# Altium PCB RevA3.PcbDoc (part 2 of 5)
Units mm, origin at the board's own origin, x right, y up, seen from the top; angles counter-clockwise.
Board outline 173 x 171 mm, 4 copper layers (Top Layer, Mid Layer 1, Mid Layer 2, Bottom Layer), stack 1.57 mm thick; 306 components, 465 nets, 1987 pads, 739 vias.
Unrouted connection lines stored in the file: 355.
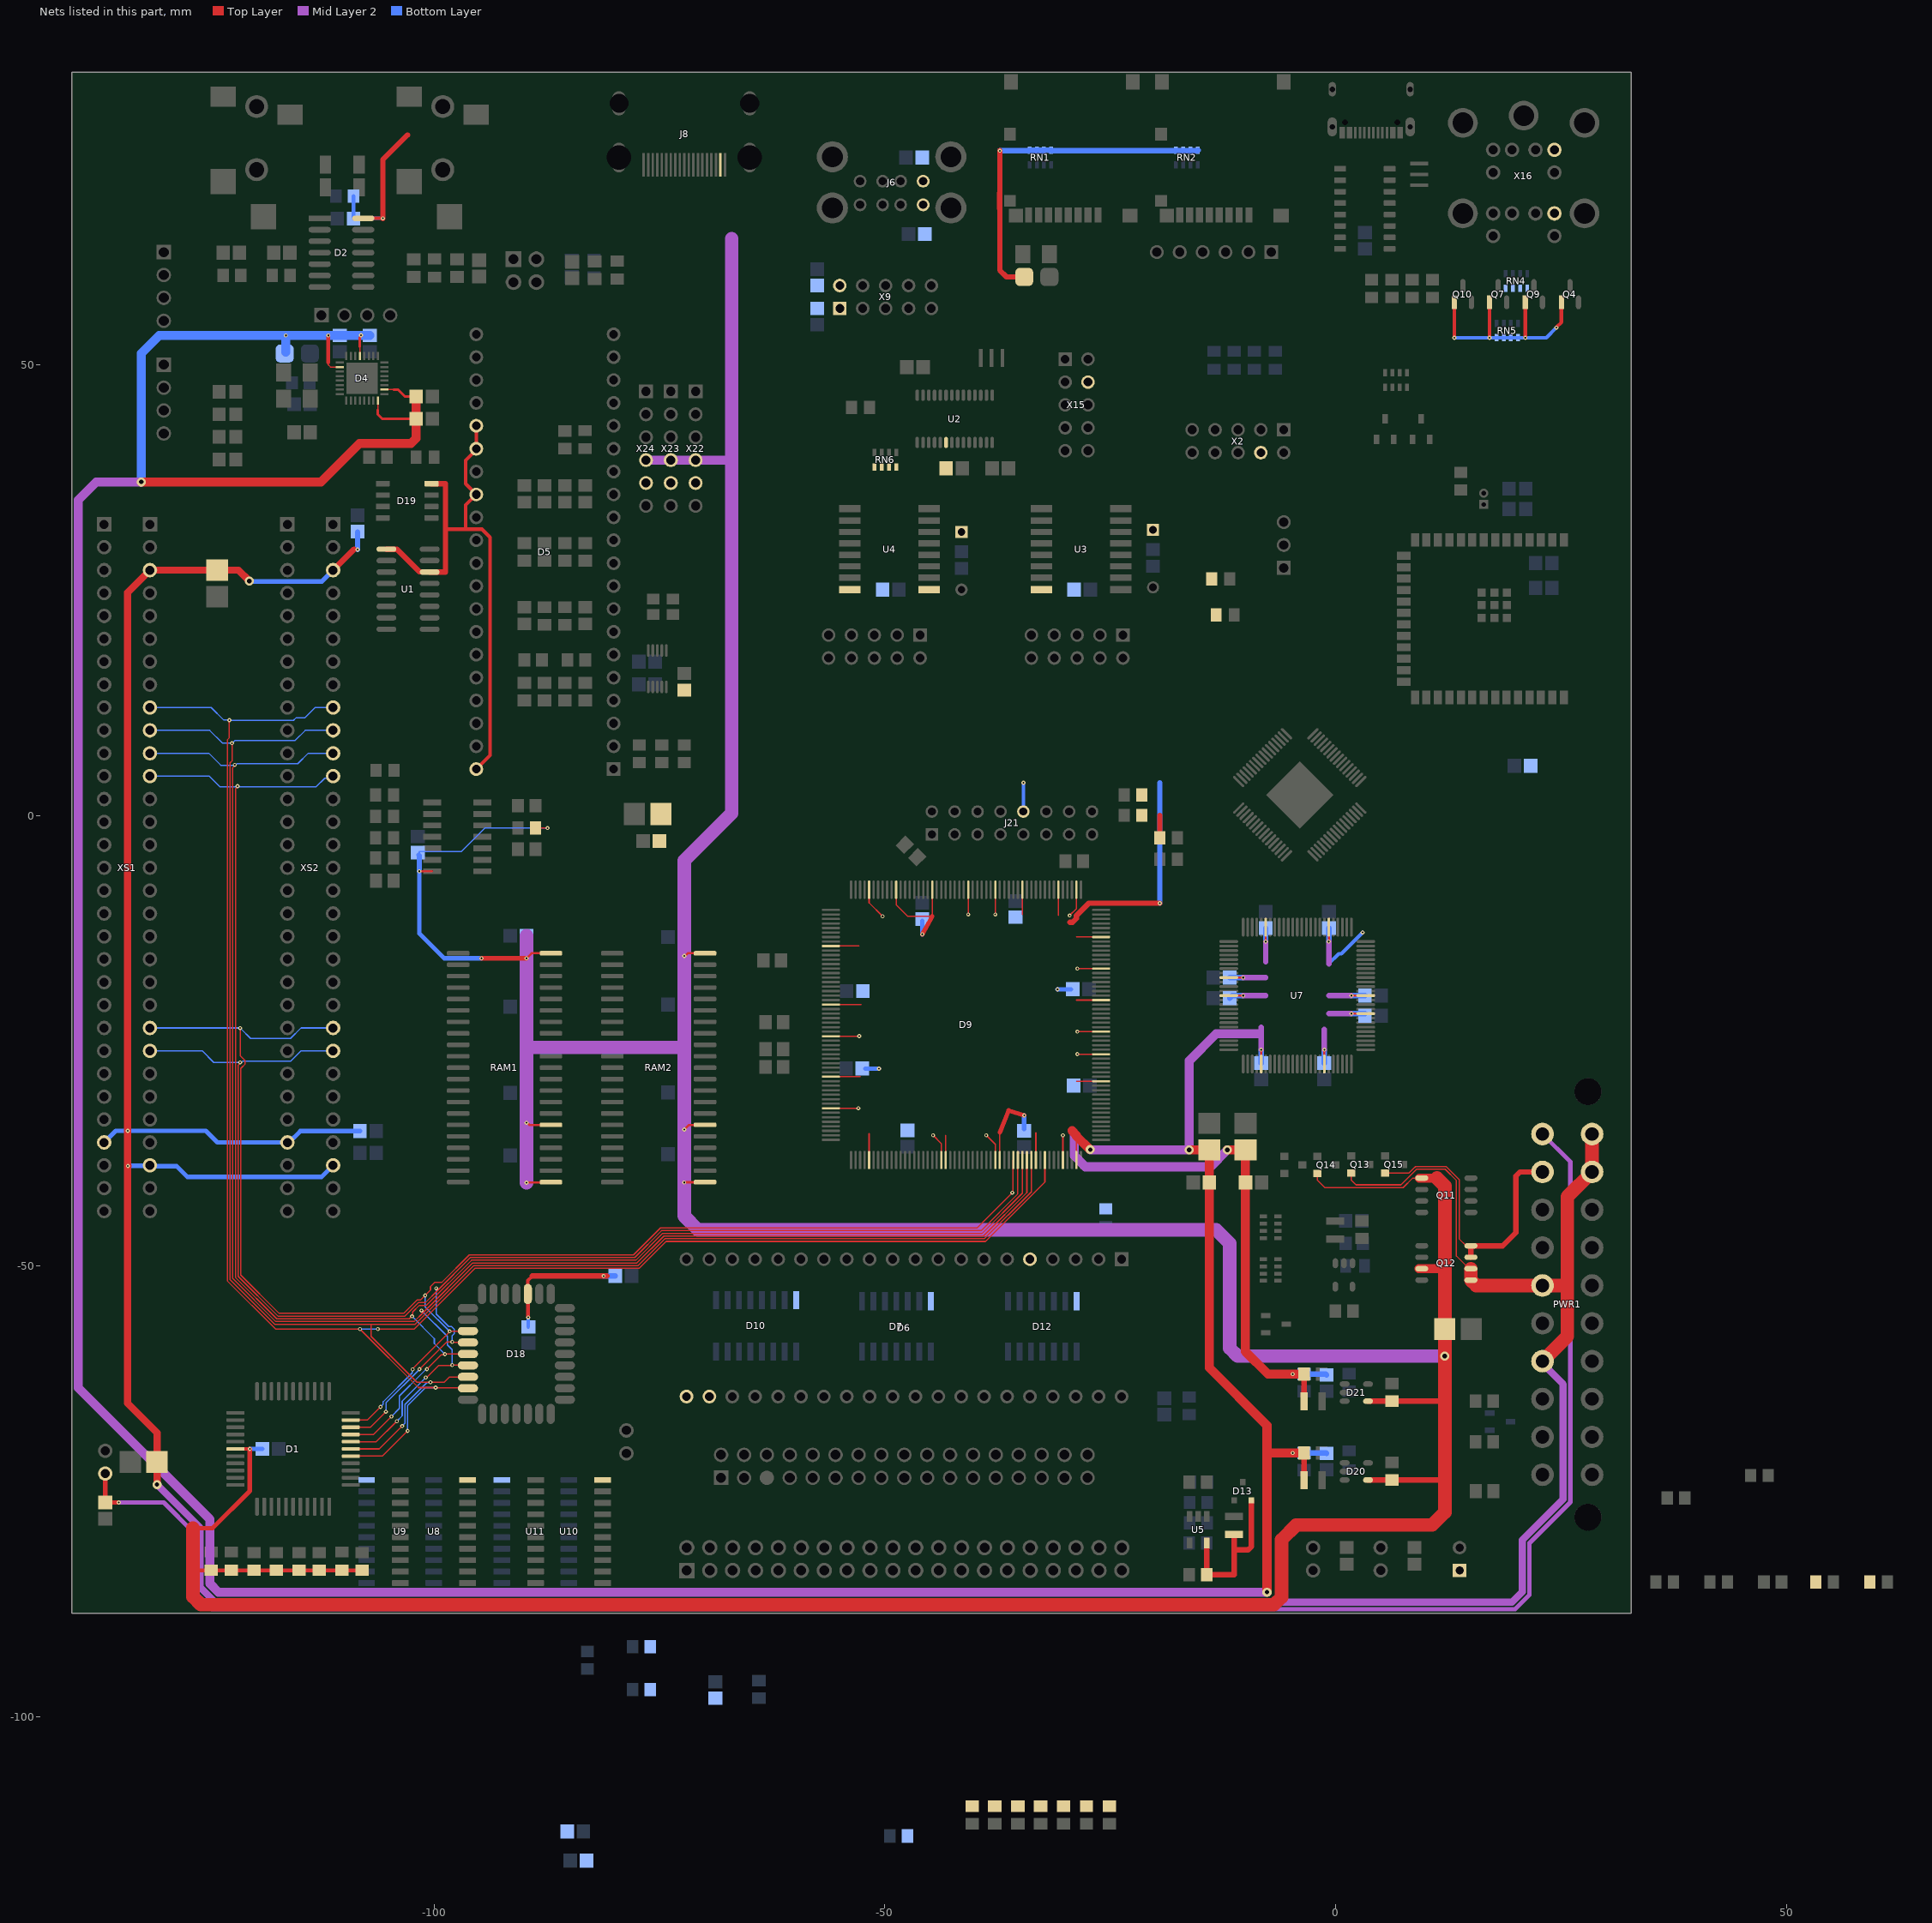
[diagram p4: the nets of this part, all layers, seen from the top]

## Footprints (in the part's own frame and the unit in brackets; to place one, negate y for a bottom-side part, rotate by r counter-clockwise, add the part's x,y. Pads: shape width x height; smd on the part's side, far side on the other; paste and mask are expansions set on the pad) (continued)
L-CHIP [mm]
  rrect50% 2x2 smd: 1(0,0) 2(2.794,0)
  silkscreen extent -0.25,-0.89 3.05,0.89
LED100_LED(Primary) [mm]
  rect 1.5x1.5 hole 0.9: A(0,-2.54)
  round 1.5 hole 0.9: K(0,0)
  silkscreen extent -3.17,-4.44 3.17,1.27
MCHP-PLCC-NH32_L [mm] "PLCC, 32-Leads, Body 13.97x11.43mm, Pitch 1.27mm, IPC High Density"
  oval 0.9x2.25 smd: 1(0,6.65) 2(-1.27,6.65) 3(-2.54,6.65) 4(-3.81,6.65) 14(-3.81,-6.65) 15(-2.54,-6.65) 16(-1.27,-6.65) 17(0,-6.65) 18(1.27,-6.65) 19(2.54,-6.65) 20(3.81,-6.65) 30(3.81,6.65) 31(2.54,6.65) 32(1.27,6.65)
  oval 2.25x0.9 smd: 5(-5.375,5.08) 6(-5.375,3.81) 7(-5.375,2.54) 8(-5.375,1.27) 9(-5.375,0) 10(-5.375,-1.27) 11(-5.375,-2.54) 12(-5.375,-3.81) 13(-5.375,-5.08) 21(5.375,-5.08) 22(5.375,-3.81) 23(5.375,-2.54) 24(5.375,-1.27) 25(5.375,0) 26(5.375,1.27) 27(5.375,2.54) 28(5.375,3.81) 29(5.375,5.08)
  silkscreen extent -3.85,-5.13 3.85,8.45, body extent -6.25,-7.45 6.25,7.45, height 2.89
MDD-6FR [mm]
  round 1.6 hole 1: 1(-1.3,-3.8) 2(1.3,-3.8) 3(-3.4,-3.8) 4(3.4,-3.8) 5(-3.4,-6.3) 6(3.4,-6.3) 7(-1.3,-10.85) 8(1.3,-10.85) 9(-3.4,-10.85) 10(3.4,-10.85) 11(-3.4,-13.35) 12(3.4,-13.35)
  round 3.3 hole 2.3: 13(0,0) 14(6.75,-0.8) 15(-6.75,-0.8) 16(6.75,-10.85) 17(-6.75,-10.85)
  silkscreen extent -8,-15.3 8,4.7, body extent -7.21,-15.21 7.24,4.79, height 28.5
MOLX-22-28-4033_V [mm] "THD, 3-Leads, Body 7.62x2.49mm, Pitch 2.54mm"
  rect 1.55x1.55 hole 1.02: 1(-2.54,0)
  round 1.55 hole 1.02: 2(0,0) 3(2.54,0)
  silkscreen extent -4.58,-1.24 3.81,1.24, body extent -3.81,-1.24 3.81,1.24, height 8.38
MOLX-502774-0891_V [mm] "SMD, 14-Leads, Body 15x14.3mm, Pitch 1.1mm"
  rect 0.8x1.68 smd: 1(-2.9,7.385) 2(-1.8,7.385) 3(-0.7,7.385) 4(0.4,7.385) 5(1.5,7.385) 6(2.6,7.385) 7(3.7,7.385) 8(4.8,7.385)
  rect 1.29x1.3 smd: 9(6.855,5.825)
  rect 1.29x1.4 smd: 10(6.855,-1.575)
  rect 1.5x1.7 smd: 11(6.75,-7.375) 12(-6.75,-7.375)
  rect 1.7x1.5 smd: 13(-6.45,7.475)
  rect 1.6x1.5 smd: 14(6.21,7.475)
  silkscreen extent -7.15,-7.88 7.15,8.9, body extent -7.15,-8 7.15,8, height 1.78
MURA-CSTCE_G_V [mm] "SMD, 3-Leads, Body 3.2x1.3mm, Pitch 1.2mm"
  rect 0.4x2 smd: 1(-1.2,0) 2(0,0) 3(1.2,0)
  silkscreen extent -2.1,-0.05 -2,0.05, body extent -1.6,-0.65 1.6,0.65, height 0.7
NS0020A_M [mm] "SOIC,20-Leads,Body 12.9x5.6mm,Pitch 1.27mm,IPC Low Density"
  rrect15% 1.85x0.65 smd: 1(-3.725,5.715) 2(-3.725,4.445) 3(-3.725,3.175) 4(-3.725,1.905) 5(-3.725,0.635) 6(-3.725,-0.635) 7(-3.725,-1.905) 8(-3.725,-3.175) 9(-3.725,-4.445) 10(-3.725,-5.715) 11(3.725,-5.715) 12(3.725,-4.445) 13(3.725,-3.175) 14(3.725,-1.905) 15(3.725,-0.635) 16(3.725,0.635) 17(3.725,1.905) 18(3.725,3.175) 19(3.725,4.445) 20(3.725,5.715)
  silkscreen extent -3.85,-6.45 2.4,6.71, body extent -2.8,-6.45 2.8,6.45, height 2
ONSC-SOT-23-3-318-08_V [mm] "SOT23, 3-Leads, Body 2.92x1.3mm, Pitch 0.95mm"
  rect 0.9x0.8 smd: 1(-1,0.95) 2(-1,-0.95) 3(1,0)
  silkscreen extent -1.12,-1.46 0.65,2.02, body extent -0.65,-1.46 0.65,1.46, height 1.11
PLB2-2 [mm]
  rect 1.75x1.75 hole 1.1: 1(0,0)
  round 1.75 hole 1.1: 2(2.54,0) 3(0,-2.54) 4(2.54,-2.54)
  silkscreen extent -1.27,-3.81 3.81,1.27
PQFP208X5 [mm]
  rrect50% 2x0.25 smd: 1(0,0) 2(0,-0.5) 3(0,-1) 4(0,-1.5) 5(0,-2) 6(0,-2.5) 7(0,-3) 8(0,-3.5) 9(0,-4) 10(0,-4.5) 11(0,-5) 12(0,-5.5) 13(0,-6) 14(0,-6.5) 15(0,-7) 16(0,-7.5) 17(0,-8) 18(0,-8.5) 19(0,-9) 20(0,-9.5) 21(0,-10) 22(0,-10.5) 23(0,-11) 24(0,-11.5) 25(0,-12) 26(0,-12.5) 27(0,-13) 28(0,-13.5) 29(0,-14) 30(0,-14.5) 31(0,-15) 32(0,-15.5) 33(0,-16) 34(0,-16.5) 35(0,-17) 36(0,-17.5) 37(0,-18) 38(0,-18.5) 39(0,-19) 40(0,-19.5) 41(0,-20) 42(0,-20.5) 43(0,-21) 44(0,-21.5) 45(0,-22) 46(0,-22.5) 47(0,-23) 48(0,-23.5) 49(0,-24) 50(0,-24.5) 51(0,-25) 52(0,-25.5) 105(30,-25.5) 106(30,-25) 107(30,-24.5) 108(30,-24) 109(30,-23.5) 110(30,-23) 111(30,-22.5) 112(30,-22) 113(30,-21.5) 114(30,-21) 115(30,-20.5) 116(30,-20) 117(30,-19.5) 118(30,-19) 119(30,-18.5) 120(30,-18) 121(30,-17.5) 122(30,-17) 123(30,-16.5) 124(30,-16) 125(30,-15.5) 126(30,-15) 127(30,-14.5) 128(30,-14) 129(30,-13.5) 130(30,-13) 131(30,-12.5) 132(30,-12) 133(30,-11.5) 134(30,-11) 135(30,-10.5) 136(30,-10) 137(30,-9.5) 138(30,-9) 139(30,-8.5) 140(30,-8) 141(30,-7.5) 142(30,-7) 143(30,-6.5) 144(30,-6) 145(30,-5.5) 146(30,-5) 147(30,-4.5) 148(30,-4) 149(30,-3.5) 150(30,-3) 151(30,-2.5) 152(30,-2) 153(30,-1.5) 154(30,-1) 155(30,-0.5) 156(30,0)
  rrect50% 0.25x2 smd: 53(2.25,-27.75) 54(2.75,-27.75) 55(3.25,-27.75) 56(3.75,-27.75) 57(4.25,-27.75) 58(4.75,-27.75) 59(5.25,-27.75) 60(5.75,-27.75) 61(6.25,-27.75) 62(6.75,-27.75) 63(7.25,-27.75) 64(7.75,-27.75) 65(8.25,-27.75) 66(8.75,-27.75) 67(9.25,-27.75) 68(9.75,-27.75) 69(10.25,-27.75) 70(10.75,-27.75) 71(11.25,-27.75) 72(11.75,-27.75) 73(12.25,-27.75) 74(12.75,-27.75) 75(13.25,-27.75) 76(13.75,-27.75) 77(14.25,-27.75) 78(14.75,-27.75) 79(15.25,-27.75) 80(15.75,-27.75) 81(16.25,-27.75) 82(16.75,-27.75) 83(17.25,-27.75) 84(17.75,-27.75) 85(18.25,-27.75) 86(18.75,-27.75) 87(19.25,-27.75) 88(19.75,-27.75) 89(20.25,-27.75) 90(20.75,-27.75) 91(21.25,-27.75) 92(21.75,-27.75) 93(22.25,-27.75) 94(22.75,-27.75) 95(23.25,-27.75) 96(23.75,-27.75) 97(24.25,-27.75) 98(24.75,-27.75) 99(25.25,-27.75) 100(25.75,-27.75) 101(26.25,-27.75) 102(26.75,-27.75) 103(27.25,-27.75) 104(27.75,-27.75) 157(27.75,2.25) 158(27.25,2.25) 159(26.75,2.25) 160(26.25,2.25) 161(25.75,2.25) 162(25.25,2.25) 163(24.75,2.25) 164(24.25,2.25) 165(23.75,2.25) 166(23.25,2.25) 167(22.75,2.25) 168(22.25,2.25) 169(21.75,2.25) 170(21.25,2.25) 171(20.75,2.25) 172(20.25,2.25) 173(19.75,2.25) 174(19.25,2.25) 175(18.75,2.25) 176(18.25,2.25) 177(17.75,2.25) 178(17.25,2.25) 179(16.75,2.25) 180(16.25,2.25) 181(15.75,2.25) 182(15.25,2.25) 183(14.75,2.25) 184(14.25,2.25) 185(13.75,2.25) 186(13.25,2.25) 187(12.75,2.25) 188(12.25,2.25) 189(11.75,2.25) 190(11.25,2.25) 191(10.75,2.25) 192(10.25,2.25) 193(9.75,2.25) 194(9.25,2.25) 195(8.75,2.25) 196(8.25,2.25) 197(7.75,2.25) 198(7.25,2.25) 199(6.75,2.25) 200(6.25,2.25) 201(5.75,2.25) 202(5.25,2.25) 203(4.75,2.25) 204(4.25,2.25) 205(3.75,2.25) 206(3.25,2.25) 207(2.75,2.25) 208(2.25,2.25)
  silkscreen extent -0.39,-26.5 28.75,1.69, body extent -0.3,-28.05 30.3,2.55, height 4.15
QFN50P500X500X90_HS-33M [mm] "QFN, 32-Leads, Body 5,00x5,00mm, Pitch 0,50mm, Thermal Pad 3,45x3,45mm, IPC Low Density"
  rect 0.9x0.25 smd: 1(-2.475,1.75) 2(-2.475,1.25) 3(-2.475,0.75) 4(-2.475,0.25) 5(-2.475,-0.25) 6(-2.475,-0.75) 7(-2.475,-1.25) 8(-2.475,-1.75) 17(2.475,-1.75) 18(2.475,-1.25) 19(2.475,-0.75) 20(2.475,-0.25) 21(2.475,0.25) 22(2.475,0.75) 23(2.475,1.25) 24(2.475,1.75)
  rect 0.25x0.9 smd: 9(-1.75,-2.475) 10(-1.25,-2.475) 11(-0.75,-2.475) 12(-0.25,-2.475) 13(0.25,-2.475) 14(0.75,-2.475) 15(1.25,-2.475) 16(1.75,-2.475) 25(1.75,2.475) 26(1.25,2.475) 27(0.75,2.475) 28(0.25,2.475) 29(-0.25,2.475) 30(-0.75,2.475) 31(-1.25,2.475) 32(-1.75,2.475)
  rect 3.45x3.45 smd: 33(0,0)
  silkscreen extent -3.66,-2.65 2.65,2.65, body extent -2.5,-2.5 2.5,2.5, height 0.9
QFP44X8 [mm]
  rrect50% 2x0.4 smd: 1(0,0) 2(0,-0.8) 3(0,-1.6) 4(0,-2.4) 5(0,-3.2) 6(0,-4) 7(0,-4.8) 8(0,-5.6) 9(0,-6.4) 10(0,-7.2) 11(0,-8) 23(12.8,-8) 24(12.8,-7.2) 25(12.8,-6.4) 26(12.8,-5.6) 27(12.8,-4.8) 28(12.8,-4) 29(12.8,-3.2) 30(12.8,-2.4) 31(12.8,-1.6) 32(12.8,-0.8) 33(12.8,0)
  rrect50% 0.4x2 smd: 12(2.4,-10.4) 13(3.2,-10.4) 14(4,-10.4) 15(4.8,-10.4) 16(5.6,-10.4) 17(6.4,-10.4) 18(7.2,-10.4) 19(8,-10.4) 20(8.8,-10.4) 21(9.6,-10.4) 22(10.4,-10.4) 34(10.4,2.4) 35(9.6,2.4) 36(8.8,2.4) 37(8,2.4) 38(7.2,2.4) 39(6.4,2.4) 40(5.6,2.4) 41(4.8,2.4) 42(4,2.4) 43(3.2,2.4) 44(2.4,2.4)
  silkscreen extent 1.6,-8.8 11.2,0.8, body extent 0.4,-10 12.4,2, height 1.08
SHENZHEN-CHUANGQIN-TECHNOLOGY_CQ-USB-C16PSMT01 [mm]
  rect 0.6x1.3 smd: A1_B12(-3.2,0) A4_B9(-2.4,0) B1_A12(3.2,0) B4_A9(2.4,0)
  rect 0.3x1.3 smd: A5(-1.25,0) A6(-0.25,0) A7(0.25,0) A8(1.25,0) B5(1.75,0) B6(0.75,0) B7(-0.75,0) B8(-1.75,0)
  oval 1.05x2.1 hole 0.6 slot 1.7 at 90 deg: S1(-4.32,-0.64) S2(4.32,-0.64)
  oval 0.8x1.6 hole 0.6 slot 1.2 at 90 deg: S3(-4.32,-4.82) S4(4.32,-4.82)
  round 0 hole 0.65 unplated: ""(-2.89,-1.14) ""(2.89,-1.14)
  silkscreen extent -4.47,-7.42 4.47,1.45, body extent -4.47,-7.49 4.47,0.32, height 3.26
SJ-3524-SMT-TR [mm]
  rect 2.2x2.8 smd: 1(2.4,-6.7) 3(4.4,0.7)
  rect 2.8x2.8 smd: 2(11.8,-6.7) 4(15.7,-2.25)
  round 2.55 hole 1.7: 5(3.5,-3) 6(10.5,-3)
  silkscreen extent -2.5,-7.83 14.5,0, body extent -2.49,-7.5 16.51,1.5, height 5.13
SLAB-MSOP-10_L [mm] "SOP, 10-Leads, Body 3x3mm, Pitch 0.5mm, IPC High Density"
  oval 1.4x0.3 smd: 1(-2.025,1) 2(-2.025,0.5) 3(-2.025,0) 4(-2.025,-0.5) 5(-2.025,-1) 6(2.025,-1) 7(2.025,-0.5) 8(2.025,0) 9(2.025,0.5) 10(2.025,1)
  silkscreen extent -2.15,-1.5 0.92,1.83, body extent -1.5,-1.5 1.5,1.5, height 1.1
SLOT62_ZXSLOT(Primary) [mm]
  rect 1.6x1.6 hole 1: A1(0,0) B1(-5.08,0)
  round 1.6 hole 1: A2(0,-2.54) A3(0,-5.08) A4(0,-7.62) A5(0,-10.16) A6(0,-12.7) A7(0,-15.24) A8(0,-17.78) A9(0,-20.32) A10(0,-22.86) A11(0,-25.4) A12(0,-27.94) A13(0,-30.48) A14(0,-33.02) A15(0,-35.56) A16(0,-38.1) A17(0,-40.64) A18(0,-43.18) A19(0,-45.72) A20(0,-48.26) A21(0,-50.8) A22(0,-53.34) A23(0,-55.88) A24(0,-58.42) A25(0,-60.96) A26(0,-63.5) A27(0,-66.04) A28(0,-68.58) A29(0,-71.12) A30(0,-73.66) A31(0,-76.2) B2(-5.08,-2.54) B3(-5.08,-5.08) B4(-5.08,-7.62) B5(-5.08,-10.16) B6(-5.08,-12.7) B7(-5.08,-15.24) B8(-5.08,-17.78) B9(-5.08,-20.32) B10(-5.08,-22.86) B11(-5.08,-25.4) B12(-5.08,-27.94) B13(-5.08,-30.48) B14(-5.08,-33.02) B15(-5.08,-35.56) B16(-5.08,-38.1) B17(-5.08,-40.64) B18(-5.08,-43.18) B19(-5.08,-45.72) B20(-5.08,-48.26) B21(-5.08,-50.8) B22(-5.08,-53.34) B23(-5.08,-55.88) B24(-5.08,-58.42) B25(-5.08,-60.96) B26(-5.08,-63.5) B27(-5.08,-66.04) B28(-5.08,-68.58) B29(-5.08,-71.12) B30(-5.08,-73.66) B31(-5.08,-76.2)
  silkscreen extent -7.62,-81.28 2.54,5.08, body extent -7.29,-80.8 2.19,4.54, height 15.13
SMTC-TSW-106-07-X-S [mm] ".025 SQ Post Terminal Strip Assembly, 1x6 Pins, Vertical, 2.54mm Pitch, Male"
  rect 1.55x1.55 hole 1.02: 1(0,0)
  round 1.55 hole 1.02: 2(2.54,0) 3(5.08,0) 4(7.62,0) 5(10.16,0) 6(12.7,0)
  silkscreen extent -1.46,-1.27 14.16,1.27, body extent -1.27,-1.24 13.97,1.3, height 8.38
SO14 [mm]
  rect 2x0.65 smd: 1(0,0) 2(0,-1.27) 3(0,-2.54) 4(0,-3.81) 5(0,-5.08) 6(0,-6.35) 7(0,-7.62) 8(5.588,-7.62) 9(5.588,-6.35) 10(5.588,-5.08) 11(5.588,-3.81) 12(5.588,-2.54) 13(5.588,-1.27) 14(5.588,0)
  silkscreen extent 1.24,-8.28 4.34,0.72, body extent -0.2,-8.14 5.8,0.55, height 1.55
SO16 [mm]
  rect 2x0.65 smd: 1(0,0) 2(0,-1.27) 3(0,-2.54) 4(0,-3.81) 5(0,-5.08) 6(0,-6.35) 7(0,-7.62) 8(0,-8.89) 9(5.715,-8.89) 10(5.715,-7.62) 11(5.715,-6.35) 12(5.715,-5.08) 13(5.715,-3.81) 14(5.715,-2.54) 15(5.715,-1.27) 16(5.715,0)
  silkscreen extent 1.27,-9.53 4.44,0.63, body extent -0.11,-9.49 5.8,0.49, height 1.45
SOIC127P600X155-8N [mm] "SOIC, 8-Leads, Body 4,89x3,90mm, Pitch 1,27mm, IPC Medium Density"
  oval 1.45x0.6 smd: 1(-2.725,1.905) 2(-2.725,0.635) 3(-2.725,-0.635) 4(-2.725,-1.905) 5(2.725,-1.905) 6(2.725,-0.635) 7(2.725,0.635) 8(2.725,1.905)
  silkscreen extent -2.85,-2.5 1.6,2.88, body extent -2,-2.5 2,2.5, height 1.55
SOIC127P600X180-16N [mm]
  rrect25% 1.31x0.62 smd: 1(-2.75,4.445) 2(-2.75,3.175) 3(-2.75,1.905) 4(-2.75,0.635) 5(-2.75,-0.635) 6(-2.75,-1.905) 7(-2.75,-3.175) 8(-2.75,-4.445) 9(2.75,-4.445) 10(2.75,-3.175) 11(2.75,-1.905) 12(2.75,-0.635) 13(2.75,0.635) 14(2.75,1.905) 15(2.75,3.175) 16(2.75,4.445)
  silkscreen extent -2.85,-5 1.78,5.85, body extent -3,-5 3,5, height 1.8
SOJ42 [mm]
  rrect50% 2.5x0.5 smd: 1(0,0) 2(0,-1.27) 3(0,-2.54) 4(0,-3.81) 5(0,-5.08) 6(0,-6.35) 7(0,-7.62) 8(0,-8.89) 9(0,-10.16) 10(0,-11.43) 11(0,-12.7) 12(0,-13.97) 13(0,-15.24) 14(0,-16.51) 15(0,-17.78) 16(0,-19.05) 17(0,-20.32) 18(0,-21.59) 19(0,-22.86) 20(0,-24.13) 21(0,-25.4) 22(10.287,-25.4) 23(10.287,-24.13) 24(10.287,-22.86) 25(10.287,-21.59) 26(10.287,-20.32) 27(10.287,-19.05) 28(10.287,-17.78) 29(10.287,-16.51) 30(10.287,-15.24) 31(10.287,-13.97) 32(10.287,-12.7) 33(10.287,-11.43) 34(10.287,-10.16) 35(10.287,-8.89) 36(10.287,-7.62) 37(10.287,-6.35) 38(10.287,-5.08) 39(10.287,-3.81) 40(10.287,-2.54) 41(10.287,-1.27) 42(10.287,0)
  silkscreen extent 0.64,-26.67 9.53,1.27, body extent -0.44,-27 10.86,1.6, height 3.76
STM-DO-35-2 [mm] "THD, 2-Leads, Dia 1.765 mm, Body Length 3.775 mm"
  rect 1.35x1.35 hole 0.85: 1(-3.2,0)
  round 1.35 hole 0.85: 2(3.2,0)
  silkscreen extent -1.89,-0.88 1.89,0.88, body extent -1.89,-0.88 1.89,0.88, height 1.76
TI-D16_N [mm] "SOIC, 16-Leads, Body 9.9x3.9mm, Pitch 1.27mm, IPC Medium Density"
  oval 2.2x0.6 smd: 1(-2.4,4.445) 2(-2.4,3.175) 3(-2.4,1.905) 4(-2.4,0.635) 5(-2.4,-0.635) 6(-2.4,-1.905) 7(-2.4,-3.175) 8(-2.4,-4.445) 9(2.4,-4.445) 10(2.4,-3.175) 11(2.4,-1.905) 12(2.4,-0.635) 13(2.4,0.635) 14(2.4,1.905) 15(2.4,3.175) 16(2.4,4.445)
  silkscreen extent -2.52,-5 0.9,5.42, body extent -2,-5 2,5, height 1.75
TQFP100_M [mm] "Thin QFP, 100-Leads, Body 14x14mm, Pitch 0.5mm, IPC Low Density"
  oval 2.1x0.3 smd: 1(-7.6,6) 2(-7.6,5.5) 3(-7.6,5) 4(-7.6,4.5) 5(-7.6,4) 6(-7.6,3.5) 7(-7.6,3) 8(-7.6,2.5) 9(-7.6,2) 10(-7.6,1.5) 11(-7.6,1) 12(-7.6,0.5) 13(-7.6,0) 14(-7.6,-0.5) 15(-7.6,-1) 16(-7.6,-1.5) 17(-7.6,-2) 18(-7.6,-2.5) 19(-7.6,-3) 20(-7.6,-3.5) 21(-7.6,-4) 22(-7.6,-4.5) 23(-7.6,-5) 24(-7.6,-5.5) 25(-7.6,-6) 51(7.6,-6) 52(7.6,-5.5) 53(7.6,-5) 54(7.6,-4.5) 55(7.6,-4) 56(7.6,-3.5) 57(7.6,-3) 58(7.6,-2.5) 59(7.6,-2) 60(7.6,-1.5) 61(7.6,-1) 62(7.6,-0.5) 63(7.6,0) 64(7.6,0.5) 65(7.6,1) 66(7.6,1.5) 67(7.6,2) 68(7.6,2.5) 69(7.6,3) 70(7.6,3.5) 71(7.6,4) 72(7.6,4.5) 73(7.6,5) 74(7.6,5.5) 75(7.6,6)
  oval 0.3x2.1 smd: 26(-6,-7.6) 27(-5.5,-7.6) 28(-5,-7.6) 29(-4.5,-7.6) 30(-4,-7.6) 31(-3.5,-7.6) 32(-3,-7.6) 33(-2.5,-7.6) 34(-2,-7.6) 35(-1.5,-7.6) 36(-1,-7.6) 37(-0.5,-7.6) 38(0,-7.6) 39(0.5,-7.6) 40(1,-7.6) 41(1.5,-7.6) 42(2,-7.6) 43(2.5,-7.6) 44(3,-7.6) 45(3.5,-7.6) 46(4,-7.6) 47(4.5,-7.6) 48(5,-7.6) 49(5.5,-7.6) 50(6,-7.6) 76(6,7.6) 77(5.5,7.6) 78(5,7.6) 79(4.5,7.6) 80(4,7.6) 81(3.5,7.6) 82(3,7.6) 83(2.5,7.6) 84(2,7.6) 85(1.5,7.6) 86(1,7.6) 87(0.5,7.6) 88(0,7.6) 89(-0.5,7.6) 90(-1,7.6) 91(-1.5,7.6) 92(-2,7.6) 93(-2.5,7.6) 94(-3,7.6) 95(-3.5,7.6) 96(-4,7.6) 97(-4.5,7.6) 98(-5,7.6) 99(-5.5,7.6) 100(-6,7.6)
  silkscreen extent -7.73,-6.15 6.15,6.82, body extent -7,-7 7,7, height 1.6
TSOP64P600X160-28L [mm] "TSOP, 28-Leads, Body 9,90x3,90mm, Pitch 0,64mm, IPC High Density"
  oval 1.25x0.4 smd: 1(-2.625,4.16) 2(-2.625,3.52) 3(-2.625,2.88) 4(-2.625,2.24) 5(-2.625,1.6) 6(-2.625,0.96) 7(-2.625,0.32) 8(-2.625,-0.32) 9(-2.625,-0.96) 10(-2.625,-1.6) 11(-2.625,-2.24) 12(-2.625,-2.88) 13(-2.625,-3.52) 14(-2.625,-4.16) 15(2.625,-4.16) 16(2.625,-3.52) 17(2.625,-2.88) 18(2.625,-2.24) 19(2.625,-1.6) 20(2.625,-0.96) 21(2.625,-0.32) 22(2.625,0.32) 23(2.625,0.96) 24(2.625,1.6) 25(2.625,2.24) 26(2.625,2.88) 27(2.625,3.52) 28(2.625,4.16)
  silkscreen extent -2.75,-5 1.6,5.04, body extent -2,-5 2,5, height 1.6
TSOP-95-5N [mm] "TSOP, 5-Leads, Body 3,00x1,50mm, Pitch 0,95mm, IPC Medium Density"
  oval 1.1x0.6 smd: 1(-1.3,0.95) 2(-1.3,0) 3(-1.3,-0.95) 4(1.3,-0.95) 5(1.3,0.95)
  silkscreen extent -1.42,-1.5 0.35,1.93, body extent -1.5,-1.55 1.5,1.55, height 1.1

## Part data
C1 C2 C42: library part CMP-1036-02315-3, "CAP CER 220PF 50V X7R 0805", Capacitance="220 pF", Case/Package=0805, Manufacturer="Vishay Vitramon", Manufacturer Part Number=VJ0805A221KXAPW1BC, Category=Cap
C3 C15 C24 C25 C26 C27 C30 C32 C34 C37 C38 C39 C45 C46 C50 C51 C54 C62 C63 C64 C65 C67 C68 C69 C71 C72 C73 C74 C76 C77 C82 C83 C84 C85 C86 C87 C88 C89 C90 C91 C96 C97 C98 C99 C100 C101 C102 C103 C104 C105 C106 C107 C108 C114: library part CMP-2100-03606-3, "CAP CER 0.1UF 50V X7R 0805", Capacitance="100 nF", Case/Package=0805, Manufacturer=Yageo, Category=Cap, Manufacturer Part Number=CC0805KRX7R9BB104
C4 C5 C6 C7 C8 C9 C13 C16 C18 C19 C20 C21 C55 C56: library part CMP-2007-03346-2, "Ceramic Capacitor for Automotive 1uF ±10% 25VDC X7R 0805 Embossed T/R", Capacitance=1uF, Case/Package=0805, Manufacturer=Murata, Category=Cap, Manufacturer Part Number=GCM21BR71E105KA56L, Termination=SMD/SMT
C10 C12: library part CMP-13271-001925-1, "CL21 Series 0805 1.5pF 50V ±0.25pF Tolerance C0G Multilayer Ceramic Chip Capacitor", Capacitance=1.5pF, Case/Package=0805, Manufacturer=Samsung, Category=Cap, Manufacturer Part Number=CL21C1R5CBANNNC
C11 C14 C48 C49 C53 C61: library part CMP-2100-03689-1, "Standard Tantalum, 22 uF, +/- 10%, 16 V, -55 to 125 degC, 2-Pin SMD (1210), RoHS, Tape and Reel", Capacitance=22uF, Case/Package=1210, Manufacturer="Kyocera AVX", Category=Cap, Manufacturer Part Number=TAJB226K016RNJ, Number of Pins=2, Termination=SMD/SMT
C17 C22 C33: library part CMP-1662-00011-2, "Chip Capacitor, 100 uF, +/- 20%, 6.3 V, -55 to 85 degC, 1206 (3216 Metric), RoHS, Tape and Reel", Capacitance="100 uF", Case/Package=1206, Manufacturer=Murata, Category=Cap, Manufacturer Part Number=GRM31CR60J107ME39L, PackageDescription="2-Pin Surface Mount Device, Body 3.2 x 1.6 mm", PartNumber=GRM31CR60J107ME39L
C23 C28 C29 C31 C35 C36 C40 C41 C43 C44 C52 C57 C59 C60 C92 C93 C94 C95 C113: library part CMP-2007-03243-2, "CAP CER 10UF 10V X5R 0805", Capacitance=10uF, Case/Package=0805, Manufacturer=KEMET, Category=Cap, Manufacturer Part Number=C0805C106K8PACTU
C47 C58 C75: library part CMP-2007-00302-2, "CAP CER 18PF 50V C0G/NP0 0805", Capacitance="18 pF", Manufacturer=KEMET, Package=C0805C-DN, Temperature="-55°C to +125°C", Temperature Characteristic=C0G, Temperature Coefficient=30ppm/°C, Temperature Range High=+125°C, Temperature Range Low=-55°C, Tolerance=0.05, Voltage Rating="50 V", Automotive=No, Category=Cap, ComponentLink2Description=Datasheet, ComponentLink2URL=https://content.kemet.com/datasheets/KEM_C1003_C0G_SMD.pdf, Device Class L1="Passive Components", Device Class L2=Capacitors, Device Class L3="Ceramic Capacitors", Digikey Description="CAP CER 18PF 50V C0G/NP0 0805", Height=0.88mm, Ipc Land Pattern Name=CAPC200125X78, Lead Free=Yes, Manufacturer Part Number=C0805C180J5GACTU, Material=Ceramic, Mouser Description="Cap Ceramic 18pF 50V C0G 5% SMD 0805 125C Paper T/R", Octopart=https://octopart.com/c0805c180j5gactu-kemet-144810, RoHS=TRUE
CD1 CD2: library part CMP-2000-05248-1, "Micro SD Memory Card Connector, 0.5 A, 10 V (DC), -25 to 85 degC, 8-Pin SMT, RoHS, Tape and Reel", Case/Package="Micro SD (molex 5027740891 )", Manufacturer=Molex, Manufacturer Part Number=5027740891, Category=Connector
D1: Case/Package=QFP-44, Category=IC
D2: library part CMP-1615-00195-3, "IC INVERTER 6CH 6-INP 14SOIC", Case/Package=SOIC, Manufacturer="Texas Instruments", Category=IC, Manufacturer Part Number=CD4069UBM, Number of Pins=14
D3 D7 D12: Case/Package=SOIC-14, Category=IC
D4: "Stereo CODEC with 1W Stereo Class-D speaker Drivers", Case/Package=QNF-32, Category=IC
D5 D6: Case/Package=DIP-40, Category=IC
D8: "USB Interface Integrated Circuit", Case/Package=SOIC-16, Category=IC
D9: Case/Package=PQFP-208, Category=IC
D10: Case/Package=SOIC-16, Category=IC
D11: library part CMP-0510-00012-1, "I2C-Programmable Any-Frequency CMOS Clock Generator + VCXO, 2.5 / 3.3 V, 0.008 to 160 MHz Output, -40 to 85 degC, 10-pin SOP", Case/Package=MSOP-10, Manufacturer="Silicon Labs", Manufacturer Part Number=SI5351A-B-GT, Category=IC, PackageDescription="10-Pin Mini Small Outline Package, Body 3 x 3 mm, Pitch 0.5 mm", PartNumber=Si5351A-B-GT
D13: library part CMP-14398-000007-1, "DIODE ARRAY SCHOTTKY 30V SOT23", Ambient Temperature Range High=+150°C, Ambient Temperature Range Low=-55°C, Capacitance=10pF, Forward Current=200mA, Manufacturer=Nexperia, Max Surge Forward Current=600mA, Package=SOT23, Peak Reverse Current=2uA, Reverse Voltage=30V, Temperature="to +150°C", Automotive=Yes, Automotive Grade="Grade 0", Category=Diode, ComponentLink2Description=Datasheet, ComponentLink2URL=https://assets.nexperia.com/documents/data-sheet/BAT54_SER.pdf, Device Class L1="Discrete Semiconductors", Device Class L2=Diodes, Device Class L3="Schottky Diodes", Digikey Description="DIODE ARRAY SCHOTTKY 30V SOT23", Footprint Url=https://assets.nexperia.com/documents/outline-drawing/SOT23.pdf, Height=1.1mm, Ipc Land Pattern Name=SOT95P230X100-3, Lead Free=Yes, Manufacturer Part Number=BAT54C,215, Max Junction Temp=+150°C, Mouser Description="Schottky Diodes, Rectifiers - Arrays SOT-23 (TO-236AB) 30V 200mA (DC) Surface Mount", Octopart=https://octopart.com/bat54c%2C215-nexperia-78738945, RoHS=TRUE, Temperature Range High=+150°C
D14 D20 D21: library part NCP1529ASNT1G, "Buck Converter - DC-DC, / High Efficiency, Adjustable / Output Voltage, Low Ripple / 1.7 MHz, 1 A", Case/Package=TSOP-8, Mount="Surface Mount", Number of Pins=5
D15 D16: library part CMP-2000-05926-1, "Small Signal Schottky Diode, 150 mA, 100 V, -65 to 125 degC, 2-Pin DO-35, RoHS, Tape and Reel", Manufacturer=STMicroelectronics, Category=Diode, Manufacturer Part Number=BAT46
D17: "2.4 GHz Wi­Fi (802.11 b/g/n) and Bluetooth® 5 (LE) module / Built around ESP32­S3 series of SoCs, Xtensa® dual­core 32­bit LX7 microprocessor / Flash up to 16 MB, PSRAM up to 8 MB / 36 GPIOs, rich set of peripherals / Onboard PCB antenna or external antenna connector", Case/Package=ESP32-S3, Category=IC
D18: library part CMP-0378-00006-1, "4 Mbit Multi-Purpose Flash, 4.5 to 5.5 V, 1 kHz, 0 to 70 degC, 32-pin PLCC (NH32), Tube", Case/Package=PLCC-32, Manufacturer=Microchip, Category=IC, Manufacturer Part Number=SST39SF040-70-4C-NHE, PackageDescription="32-lead Plastic Lead Chip Carrier, 11.43 x 13.97 mm Body, 1.27 mm Pitch", PartNumber=SST39SF040-70-4C-NHE
D19: library part CMP-1685-00009-2, "IC OPAMP GP 2 CIRCUIT 8SOIC", Case/Package=SOIC, Manufacturer="Texas Instruments", Category=IC, Manufacturer Part Number=LM358DR, Number of Pins=8
FB4: library part CMP-0686-00643-3, "Chip Ferrite Bead, 0805, 600Ω @ 100MHz, 0.2Ω, 25%, 700mA", Case/Package=0805, Manufacturer=Murata, Category=Inductor, Manufacturer Part Number=BLM21AG601SN1J, Number of Pins=2, Termination=Flat
J1 J2 J3 J4: "HLT->~IP", Case/Package=PLS-2, Category=Connector
J5 X4: "Connector", Case/Package="Stereo jack smd", Category=Connector
J6: "USB 2.0 Type A Receptacle WR-COM, Stacked Horizontal, THT", Contact Resistance=20mOhm, Manufacturer="Wurth Elektronik", Operating Temperature=-40to105degC, Rated Current=1.5A, Working Voltage=30VAC, Connector Type=USB2.0TypeA, Datasheet URL=https://katalog.we-online.de/em/datasheet/61400826021.pdf, Gender=Receptacle, Manufacturer URL=http://www.we-online.de, Mounting Technology=THT, Orientation=StackedHorizontal, Package Reference=61400826021, Packaging=Tray, Part Number=61400826021, Publisher=WurthElektronik